# Altium PCB MCU021_V1.0_PCB.PcbDoc (part 1 of 3) (continued)
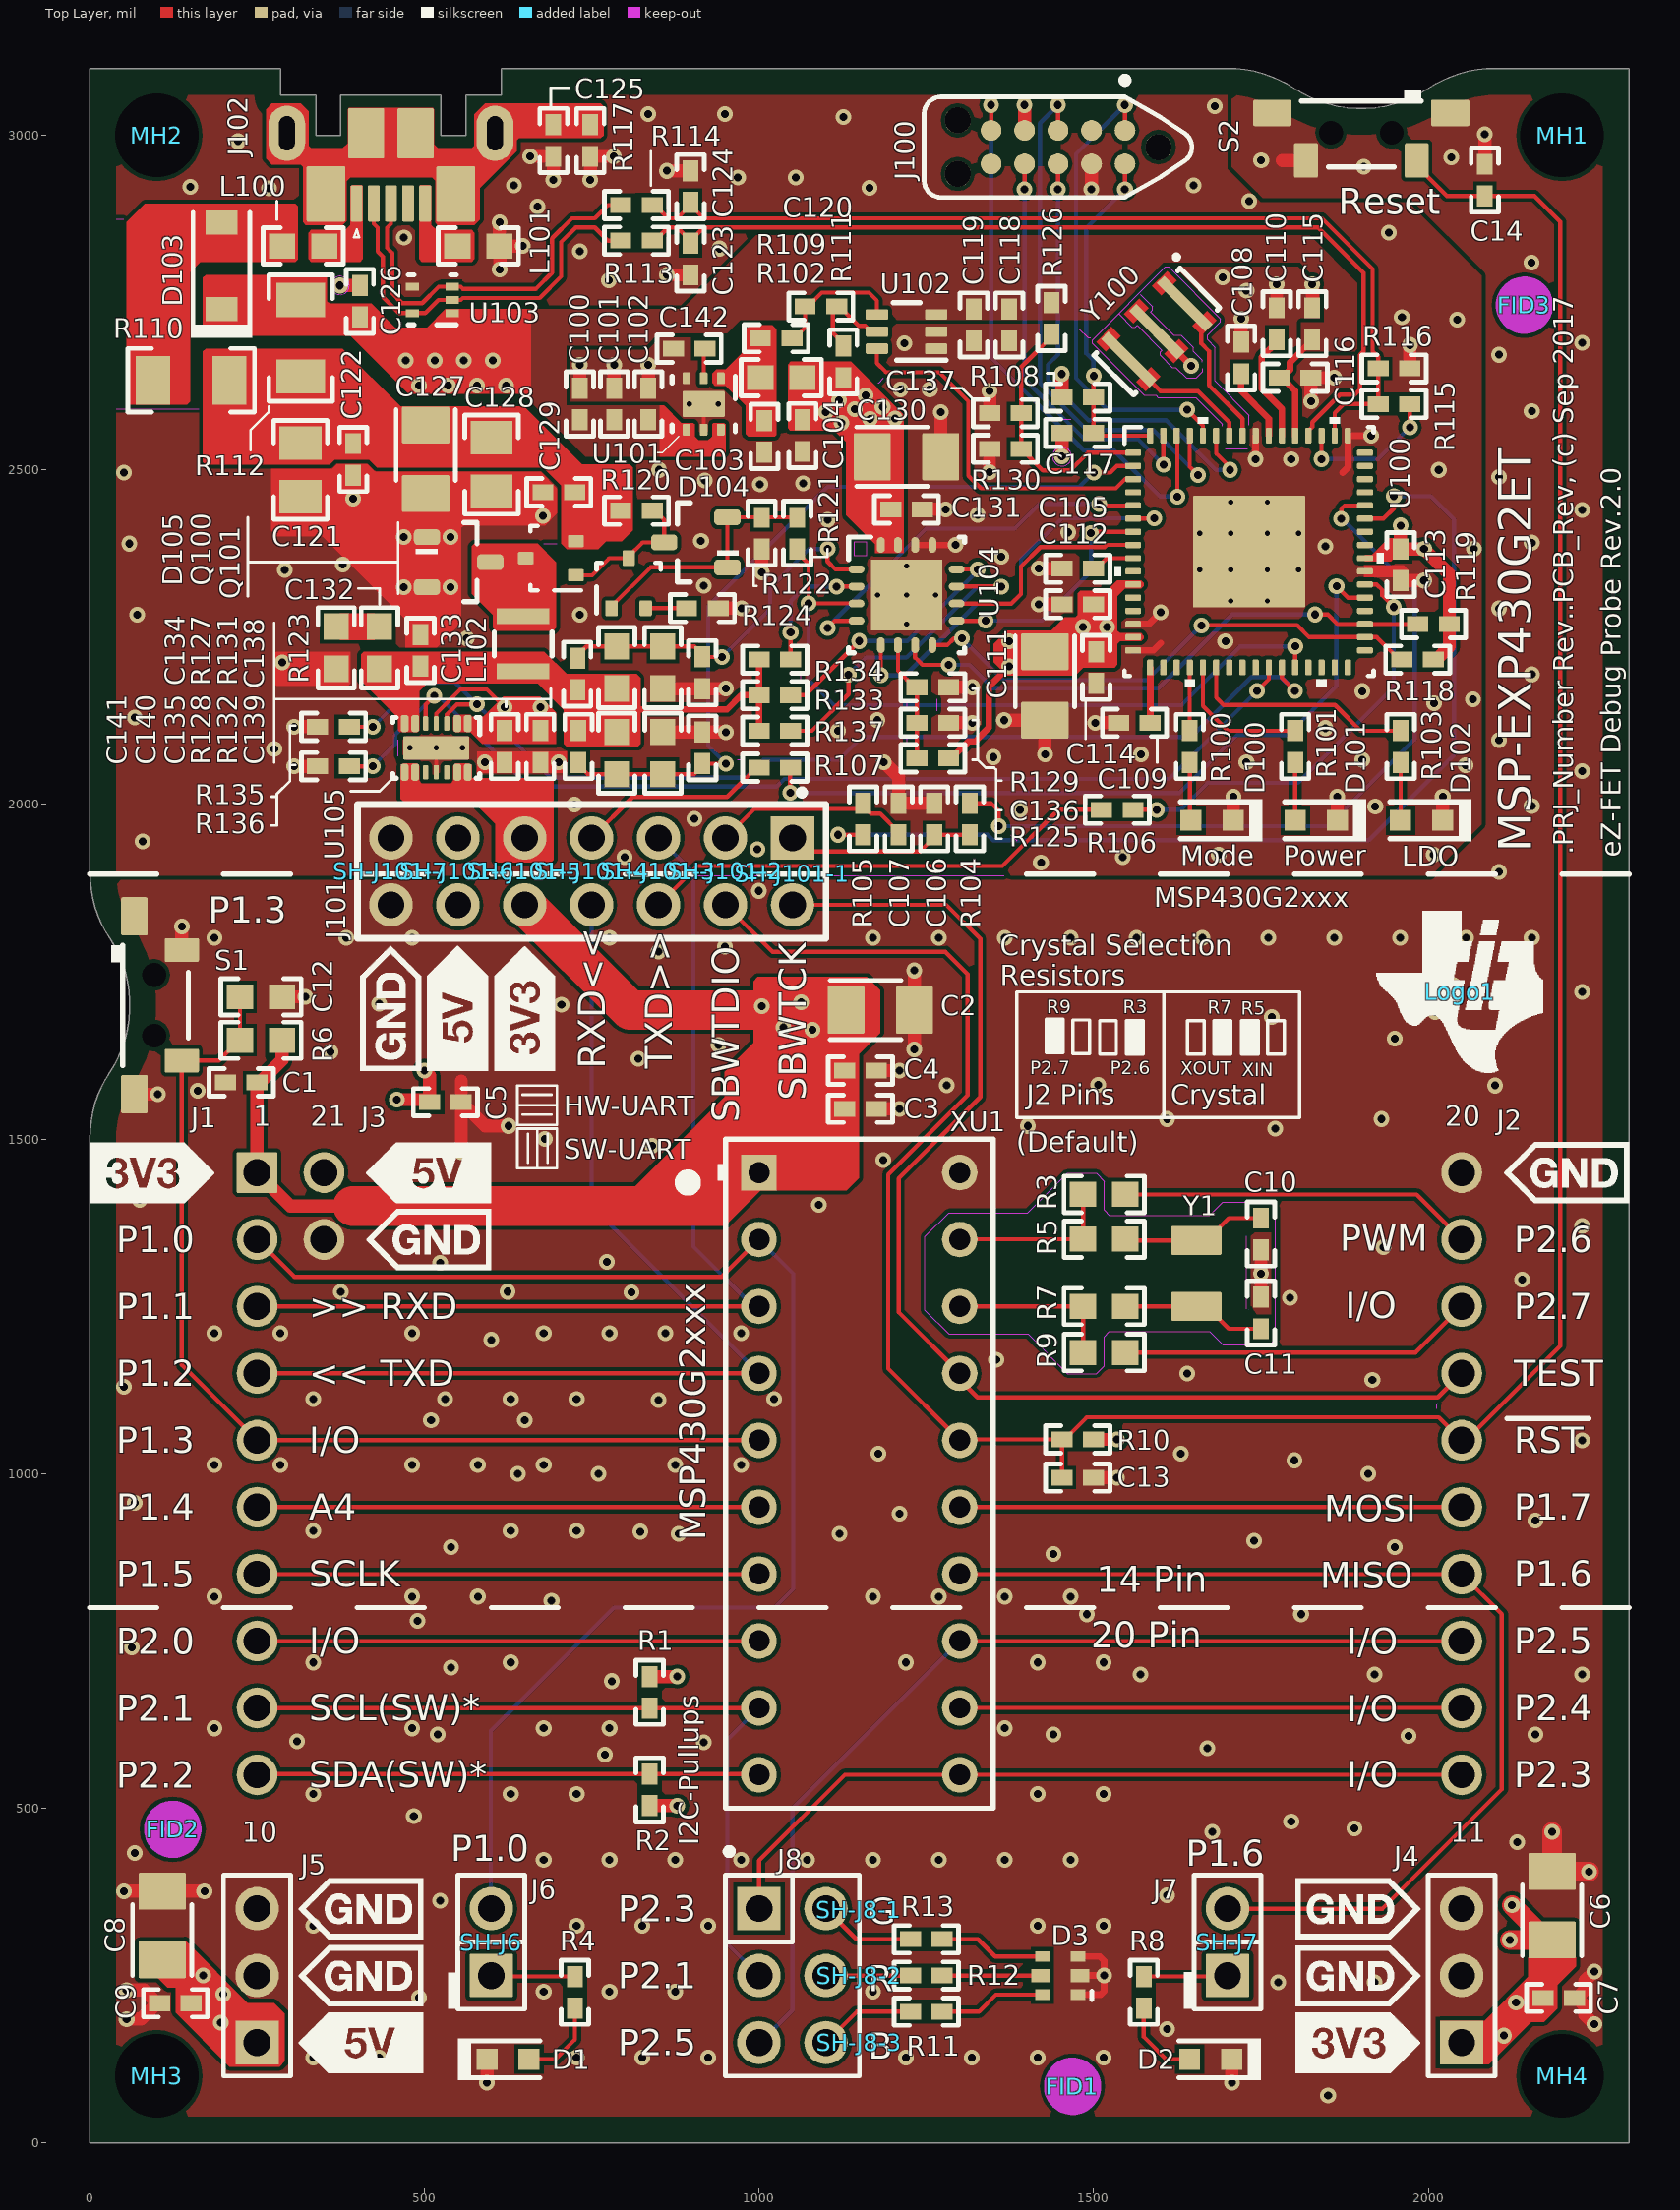
[diagram p0: Top Layer view]
## Part data (continued)
C108 C110 C125: library part GRM155R61A224KE19D, "CAP, CERM, 0.22 µF, 10 V,+/- 10%, X5R, 0402", Cap_Case=0402, Manufacturer=MuRata, Supplier Part Number 1=490-3910-1-ND, TempCo=X5R, Tolerance_%=10, Value1=Unknown, Value2=10V, ValueDisplayed=0.22µF, AEC Category=Q200, AEC Qualified=?, Cap_F=0.00000022, ComponentLink1Description="Datasheet link", ComponentLink1URL=http://search.murata.co.jp/Ceramy/PnsearchViewAction.do?HnOFG=ON&HnNFG=ON&SEL_CNT=50&sLang=en&sKey=GRM155R61A224KE19D&x=9&y=9&search=startwith, CompType=Capacitor, Green_EU RoHS=Passed, Green_EU RoHS-2=Incomplete, Green_Lifecycle=Active, Green_REACh=Passed, LatestRevisionDate=2017-05-28, MountType=SMT, PackageReference=0402, PartNumber=GRM155R61A224KE19D, Polarized=N, Published=2008-06-19, Publisher="Texas Instruments", RoHS=Y, SizeArea_mm2=0.5, SizeAreaWB_mm2=3, SizeX_mm=1, SizeY_mm=0.5, SizeZ_mm=0.6, Supplier 1=Digi-Key, Supplier 2=Newark, Supplier 3=Mouser, Supplier Part Number 2=38K1646, Supplier Part Number 3=81-GRM155R61A224KE19, SymbolVersion=2008-07-09, TaMax_C=85, TaMin_C=-55, Technology=Ceramic, U/M=EA, VDC_V=10
C109: library part GRM155R61C474KE01, "CAP, CERM, 0.47 µF, 16 V,+/- 10%, X5R, 0402", Cap_Case=0402, Manufacturer=MuRata, TempCo=X5R, Tolerance_%=10, Value1=Unknown, Value2=16V, ValueDisplayed=0.47µF, AEC Category=Q200, AEC Qualified=?, Cap_F=0.00000047, ComponentLink1Description="Datasheet link", ComponentLink1URL=http://psearch.murata.com/capacitor/product/GRM155R61C474KE01%23.pdf, CompType=Capacitor, Green_EU RoHS=Passed, Green_EU RoHS-2=Incomplete, Green_Lifecycle=Active, Green_REACh=Passed, LatestRevisionDate=2017-05-28, MountType=SMT, PackageReference=0402, PartNumber=GRM155R61C474KE01, Polarized=N, Published=2008-06-19, Publisher="Texas Instruments", RoHS=Y, SizeArea_mm2=0.5, SizeAreaWB_mm2=3, SizeX_mm=1, SizeY_mm=0.5, SizeZ_mm=0.6, SymbolVersion=2008-07-09, TaMax_C=85, TaMin_C=-55, Technology=Ceramic, U/M=EA, VDC_V=16
C111 C130: library part 293D475X9010A2TE3, "CAP, TA, 4.7 µF, 10 V, +/- 10%, 5 ohm, SMD", Cap_Case=A, Manufacturer=Vishay-Sprague, Supplier Part Number 1=718-1146-1-ND, Tolerance_%=10, Value1="5 ohm", Value2=10V, ValueDisplayed=4.7µF, AEC Category=Q200, AEC Qualified=?, Cap_F=0.0000047, ComponentLink1Description="Datasheet link", ComponentLink1URL=http://www.vishay.com/docs/40002/293d.pdf, CompType=Capacitor, ESR_ohm=5, IRMS_A=0.12, LatestRevisionDate=2017-03-13, LatestRevisionNote="Updated supplier links", MountType=SMT, PackageReference=3216-18, PartNumber=293D475X9010A2TE3, Polarized=Y, Publisher="Texas Instruments", RoHS=Y, Series=293D, SizeArea_mm2=5.12, SizeAreaWB_mm2=10.92, SizeX_mm=3.2, SizeY_mm=1.6, SizeZ_mm=1.8, Supplier 1=Digi-Key, Supplier 2=Mouser, Supplier 3=Farnell, Supplier Part Number 2=74-293D475X9010A2TE3, Supplier Part Number 3=197397, SymbolVersion=2008-07-09, TaMax_C=125, TaMin_C=-55, Technology=TA, U/M=EA, VDC_V=10
C115: library part GRM155R60J475ME87D, "CAP, CERM, 4.7 µF, 6.3 V,+/- 20%, X5R, 0402", Cap_Case=0402, Manufacturer=MuRata, Supplier Part Number 1=490-5408-1-ND, TempCo=X5R, Tolerance_%=20, Value1="0.009 ohm", Value2=6.3V, ValueDisplayed=4.7µF, AEC Category=Q200, AEC Qualified=?, Cap_F=0.0000047, ComponentLink1Description="Datasheet link", ComponentLink1URL=http://www.murata.com/products/catalog/pdf/c02e.pdf, CompType=Capacitor, ESR_ohm=0.009, Green_EU RoHS=Passed, Green_EU RoHS-2=Incomplete, Green_Lifecycle=Active, Green_REACh=Passed, IRMS_A=1.22, LatestRevisionDate=2017-05-28, MountType=SMT, PackageReference=0402, PartNumber=GRM155R60J475ME87D, Polarized=N, Published=2008-06-19, Publisher="Texas Instruments", RoHS=Y, SizeArea_mm2=0.5, SizeAreaWB_mm2=3, SizeX_mm=1, SizeY_mm=0.5, SizeZ_mm=0.6, Supplier 1=Digi-Key, SymbolVersion=2008-07-09, TaMax_C=85, TaMin_C=-55, Technology=Ceramic, U/M=EA, VDC_V=6.3
C121 C128: library part C0805C475K8PACTU, "CAP, CERM, 4.7 µF, 10 V,+/- 10%, X5R, 0805", Cap_Case=0805, Manufacturer=Kemet, Supplier Part Number 1=399-3133-1-ND, TempCo=X5R, Tolerance_%=10, Value1="0.004 ohm", Value2=10V, ValueDisplayed=4.7µF, AEC Category=Q200, AEC Qualified=?, Cap_F=0.0000047, ComponentLink1Description="Datasheet link", ComponentLink1URL=http://www.kemet.com/kemet/web/homepage/kechome.nsf/file/Partial%20Copy%20-%20Ceramic%20Surface%20Mount%20Capacitors/$file/F3102_CE.pdf, CompType=Capacitor, ESR_ohm=0.004, Green_EU RoHS=Passed, Green_EU RoHS-2=Passed, Green_Lifecycle=Active, Green_REACh=Passed, IRMS_A=9.89, LatestRevisionDate=2017-05-28, MountType=SMT, PackageReference=0805, PartNumber=C0805C475K8PACTU, Polarized=N, Published=2008-06-19, Publisher="Texas Instruments", RoHS=Y, SizeArea_mm2=2.5, SizeAreaWB_mm2=6.75, SizeX_mm=2, SizeY_mm=1.25, SizeZ_mm=1.45, Supplier 1=Digi-Key, Supplier 2=Newark, Supplier 3=Mouser, Supplier Part Number 2=70K9144, Supplier Part Number 3=80-C0805C475K8P, SymbolVersion=2008-07-09, TaMax_C=85, TaMin_C=-55, Technology=Ceramic, U/M=EA, VDC_V=10
C132: library part CGB3B1X5R1A475K055AC, "CAP, CERM, 4.7 µF, 10 V,+/- 10%, X5R, 0603", Cap_Case=0603, Manufacturer=TDK, Supplier Part Number 1=445-7482-1-ND, TempCo=X5R, Tolerance_%=10, Value1=Unknown, Value2=10V, ValueDisplayed=4.7µF, AEC Category=Q200, AEC Qualified=?, Cap_F=0.0000047, ComponentLink1Description="Datasheet link", ComponentLink1URL=http://www.tdk.com/pdf/mlcc_product_guide_A12.pdf, CompType=Capacitor, Green_EU RoHS=Passed, Green_EU RoHS-2=Passed, Green_Lifecycle=Active, Green_REACh=Passed, LatestRevisionDate=2017-05-28, MountType=SMT, PackageReference=0603, PartNumber=CGB3B1X5R1A475K055AC, Polarized=N, Published=2008-06-19, Publisher="Texas Instruments", RoHS=Y, SizeArea_mm2=1.28, SizeAreaWB_mm2=4.68, SizeX_mm=1.6, SizeY_mm=0.8, SizeZ_mm=1, Supplier 1=Digi-Key, SymbolVersion=2008-07-09, TaMax_C=85, TaMin_C=-55, Technology=Ceramic, U/M=EA, VDC_V=10
C134 C135 C136 C137 C138 C139: library part C1005C0G1H330J050BA, "CAP, CERM, 33 pF, 50 V,+/- 5%, C0G/NP0, 0402", Cap_Case=0402, Manufacturer=TDK, Supplier Part Number 1=445-1241-1-ND, TempCo=C0G/NP0, Tolerance_%=5, Value1=Unknown, Value2=50V, AEC Category=Q200, AEC Qualified=?, Cap_F=0.000000000033, ComponentLink1Description="Datasheet link", ComponentLink1URL=http://product.tdk.com/en/catalog/datasheets/mlcc_commercial_general_en.pdf, CompType=Capacitor, Green_EU RoHS=Incomplete, Green_EU RoHS-2=Incomplete, Green_Lifecycle="Not Set", Green_REACh=Incomplete, LatestRevisionDate=2017-05-28, MountType=SMT, PackageReference=0402, PartNumber=C1005C0G1H330J050BA, Polarized=N, Published=2008-06-19, Publisher="Texas Instruments", RoHS=Y, SizeArea_mm2=0.5, SizeAreaWB_mm2=3, SizeX_mm=1, SizeY_mm=0.5, SizeZ_mm=0.6, Supplier 1=Digi-Key, Supplier 2=Newark, Supplier 3=Mouser, Supplier Part Number 2=72W1722, Supplier Part Number 3=810-C1005C0G1H330J, SymbolVersion=2008-07-09, TaMax_C=125, TaMin_C=-55, Technology=Ceramic, U/M=EA, ValueDisplayed=33pF, VDC_V=50
"CE LOGO1": library part CMP-0074844-1, LatestRevisionDate=2017-07-06, Lib Reference="CE Mark", PartNumber="CE Mark", Published=2009-03-03, Publisher="Texas Instruments", SymbolCreator=a0412235
D1 D101: "LED, Green, SMD", Color=green, Manufacturer="Wurth Elektronik", Supplier Part Number 1=732-4980-1-ND, Value1=W, Value2=2V, ComponentLink1Description="Datasheet link", ComponentLink1URL=http://katalog.we-online.de/led/datasheet/150060VS75000.pdf, CompType=LED, Green_EU RoHS=Passed, Green_EU RoHS-2=Incomplete, Green_Lifecycle=Active, Green_REACh=Passed, Io_A=0.02, LatestRevisionDate=2017-05-19, MountType=SMT, PackageReference=LED_0603, PartNumber=150060VS75000, Published=2008-07-11, Publisher="Texas Instruments", RoHS=Y, Supplier 1=Digi-Key, Supplier 2=Newark, Supplier 3=Farnell, Supplier Part Number 2=95W3797, Supplier Part Number 3=2322073, SymbolVersion=2008-11-06, Type=AlInGaP, U/M=EA, Vf_V=2
D2 D100: "LED, Red, SMD", Color=Red, Manufacturer="Wurth Elektronik", Power_TotalModule=0.072, Supplier Part Number 1=732-4978-1-ND, Value1=0.072W, Value2=2V, Angle=140, ComponentLink1Description="Datasheet link", ComponentLink1URL=http://katalog.we-online.de/led/datasheet/150060RS75000.pdf, CompType=LED, Green_EU RoHS=Passed, Green_EU RoHS-2=Incomplete, Green_Lifecycle=Active, Green_REACh=Passed, Io_A=0.03, LatestRevisionDate=2017-05-19, MountType=SMT, PackageReference=LED_0603, PartNumber=150060RS75000, Published=2008-07-11, Publisher="Texas Instruments", RoHS=Y, Supplier 1=Digi-Key, Supplier 2=Newark, Supplier 3=Mouser, Supplier Part Number 2=95W3795, Supplier Part Number 3=710-150060RS75000, SymbolVersion=2008-11-06, TJmax_C=85, Type=AlInGaP, U/M=EA, Vf_V=2, Vr_V=5
D3: "LED, RGB, SMD", Color=RGB, Manufacturer=Everlight, Supplier Part Number 1=19-337/R6GHBHC-A01/2T-ND, Value1=W, Value2=3.8V, Angle=120, ComponentLink1Description="Datasheet link", ComponentLink1URL=http://www.everlight.com/file/ProductFile/19-337-R6GHBHC-A01-2T.pdf, CompType=LED, Io_A=0.025, Ir_A=5e-005, LatestRevisionDate=2017-06-23, MountType=SMT, PackageReference=1.6x1.6mm, PartNumber=19-337/R6GHBHC-A01/2T, Published=2008-07-11, Publisher="Texas Instruments", RoHS=Y, Supplier 1=Digi-Key, Supplier 2=Mouser, Supplier Part Number 2=638-19337R6GHBHCA01T, SymbolCreator=Altium, SymbolVersion=2017-06-23, TJmax_C=85, Type=?, U/M=EA, Vf_V=3.8, Vr_V=5
D102: "LED, Yellow, SMD", Color=yellow, Manufacturer="Wurth Elektronik", Supplier Part Number 1=732-4981-1-ND, Value1=W, Value2=2V, ComponentLink1Description="Datasheet link", ComponentLink1URL=http://katalog.we-online.de/led/datasheet/150060YS75000.pdf, CompType=LED, Green_EU RoHS=Passed, Green_EU RoHS-2=Incomplete, Green_Lifecycle=Active, Green_REACh=Passed, Io_A=0.02, LatestRevisionDate=2017-05-19, MountType=SMT, PackageReference=LED_0603, PartNumber=150060YS75000, Published=2008-07-11, Publisher="Texas Instruments", RoHS=Y, Supplier 1=Digi-Key, Supplier 2=Newark, Supplier 3=Farnell, Supplier Part Number 2=95W3798, Supplier Part Number 3=2322074, SymbolVersion=2008-11-06, Type=AlInGaP, U/M=EA, Vf_V=2
D103: "Diode, Schottky, 30 V, 0.5 A, SOD-123", Manufacturer="Diodes Inc.", Supplier Part Number 1=B0530W-FDICT-ND, Value1=0.5A, Value2=0.43V, AEC Category=Q101, AEC Qualified=?, ComponentLink1Description="Datasheet link", ComponentLink1URL=http://www.diodes.com/datasheets/ds30139.pdf, CompType=Diode, Green_EU RoHS=Passed, Green_EU RoHS-2=Passed, Green_Lifecycle=Active, Green_REACh=Passed, Io_A=0.5, LatestRevisionDate=2017-05-30, MountType=SMT, PackageReference=SOD-123, PartNumber=B0530W-7-F, Published=2008-06-26, Publisher="Texas Instruments", RoHS=Y, SizeArea_mm2=6.545, SizeAreaWB_mm2=13.095, SizeX_mm=3.85, SizeY_mm=1.7, SizeZ_mm=1.35, Supplier 1=Digi-Key, Supplier 2=Newark, Supplier 3=Mouser, Supplier Part Number 2=12T1451, Supplier Part Number 3=621-B0530W-F, SymbolVersion=2008-12-08, TJmax_C=125, Type=Schottky, U/M=EA, Vf_V=0.43, Vr_V=30
D104 D105: "Diode, Schottky, 40 V, 0.12 A, AEC-Q101, SOT-23", Manufacturer=Nexperia, Supplier Part Number 1=1727-4235-1-ND, Value1=0.12A, Value2=0.38V, AEC Category=Q101, AEC Qualified=Y, ComponentLink1Description="Datasheet link", ComponentLink1URL=https://assets.nexperia.com/documents/data-sheet/BAS40_1PSXXSB4X_SER.pdf, CompType=Diode, Io_A=0.12, LatestRevisionDate=2017-06-06, MountType=SMT, PackageReference=SOT-23, PartNumber=BAS40-05,215, Published=2008-06-26, Publisher="Texas Instruments", RoHS=Y, SizeArea_mm2=7.5, SizeAreaWB_mm2=14, SizeX_mm=2.5, SizeY_mm=3, SizeZ_mm=1.1, Supplier 1=Digi-Key, Supplier 2=Newark, Supplier 3=Mouser, Supplier Part Number 2=75R4943, Supplier Part Number 3=771-BAS40-05-T/R, SymbolCreator=a0412235, SymbolVersion=2013-03-27, TJmax_C=150, Type=Schottky, U/M=EA, Vf_V=0.38, Vr_V=40
"ESD Logo1": library part ESD_Susceptible, "ESD Susceptible Symbol", LatestRevisionDate=2016-03-21, Published=2009-03-03, Publisher="Texas Instruments", SymbolCreator=a0412235, SymbolVersion=2011-08-22
FID1 FID2 FID3: "Fiducial mark.  There is nothing to buy or mount.", Manufacturer=N/A, ClassName=FiducialMark, CompType=Fiducial, LatestRevisionDate=2017-05-31, LatestRevisionNote="Added Alternate PartNumber and Alternate Manufacturer parameters to appropriate components.", MountType=N/A, PackageReference=N/A, PartNumber=N/A, Publisher="Texas Instruments", SymbolCreator=codlsc, SymbolVersion=2009-11-4
H1 H2: library part CMP-0077978-1, "Spacer Support, Nylon 66", Manufacturer="Kang Yang", ComponentLink1Description="Datasheet Link", ComponentLink1URL=https://sps16.itg.ti.com/sites/KMS/crossdivteams/altium/docs/ComponentDatasheets/1104004000018---MAE-10.pdf, CompType=Standoff, Key=MAE-10, MountType=N/A, PackageReference="Spacer Nylon Support", PartNumber=MAE-10, RoHS=Y
J1: library part BoosterPack_20pin_J1, "Receptacle, 2.54mm, 10x1, Gold, TH", Alternate Manufacturer="Major League Electronics", Alternate PartNumber=SSHQ-110-S-08-G-LF, Manufacturer=Samtec, Supplier Part Number 1=2283783, ComponentLink1Description="Datasheet Link", CompType=Receptacle, LatestRevisionDate=2017-05-23, MountType=TH, Note="Booster Pack 20 pin J1", PackageReference="10x1 Receptacle", PartNumber=SSQ-110-03-F-S, Publisher="Texas Instruments", RoHS=Y, Supplier 1=Farnell, SymbolCreator=a0412235, SymbolVersion=2015-10-21
J2: library part BoosterPack_20pin_J2, "Receptacle, 2.54mm, 10x1, Gold, TH", Alternate Manufacturer="Major League Electronics", Alternate PartNumber=SSHQ-110-S-08-G-LF, Manufacturer=Samtec, Supplier Part Number 1=2283783, ComponentLink1Description="Datasheet Link", CompType=Receptacle, LatestRevisionDate=2017-05-23, MountType=TH, Note="Booster Pack 20 pin J2", PackageReference="10x1 Receptacle", PartNumber=SSQ-110-03-F-S, Publisher="Texas Instruments", RoHS=Y, Supplier 1=Farnell, SymbolCreator=a0412235, SymbolVersion=2015-10-21
J3: library part BoosterPack_20pin_J3, "Receptacle, 2.54mm, 2x1, Gold, TH", Manufacturer=Samtec, Supplier Part Number 1=2283777, ComponentLink1Description="Datasheet Link", CompType=Receptacle, LatestRevisionDate=2017-05-23, MountType=TH, Note="Booster Pack 20 pin J3", PackageReference="2x1 Receptacle", PartNumber=SSQ-102-03-F-S, Publisher="Texas Instruments", RoHS=Y, Supplier 1=Farnell, SymbolCreator=a0412235, SymbolVersion=2015-10-21
J4 J5: "Header, 100mil, 3x1, Tin, TH", Color=Black, Current_A=3, Manufacturer="Sullins Connector Solutions", Supplier Part Number 1=S1012E-03-ND, Voltage_V=1800, Cert_UL=Y, ClassName=Header, ComponentLink1Description="Datasheet URL", ComponentLink1URL=http://www.sullinscorp.com/catalogs/77_PAGE108-109_.100_MALE_HDR.pdf, CompType=Header, ContactFinish=Tin, Gender=Male, Green_EU RoHS=Incomplete, Green_EU RoHS-2=Incomplete, Green_Lifecycle="Not Set", Green_REACh=Incomplete, LatestRevisionDate=2017-05-15, MountType=TH, Orientation=Vertical, PackageReference="Header, 3 PIN, 100mil, Tin", PartNumber=PEC03SAAN, PinCount=3, Pitch_mm=2.54, Publisher="Texas Instruments", RoHS=Y, Row_Count=1, Shrouded=N, Supplier 1=Digi-Key, SymbolCreator=a0412235, SymbolVersion=2017-03-03
J6 J7: "Header, 100mil, 2x1, Gold, TH", Color=Black, Current_A=6.3, Manufacturer=Samtec, Supplier Part Number 1=SAM1029-02-ND, Voltage_V=550, Cert_CSA=Y, Cert_CULUS=N, Cert_UL=Y, Cert_VDE=N, ClassName=Header, ComponentLink1Description="Datasheet URL", ComponentLink1URL=http://samtec.com/ftppub/pdf/TSW_TH.PDF, CompType=Header, ContactFinish=Gold, Gender=Male, LatestRevisionDate=2017-04-12, MountType=TH, Orientation=Vertical, PackageReference="2x1 Header", PartNumber=TSW-102-07-G-S, PinCount=2, Pitch_mm=2.54, Publisher="Texas Instruments", RoHS=Y, Row_Count=1, Shrouded=N, Supplier 1=Digi-Key, SymbolCreator=a0412235, SymbolVersion=2013-10-31
J8: "Header, 100mil, 3x2, Gold, TH", Color=Black, Current_A=6.3, Manufacturer=Samtec, Supplier Part Number 1=SAM1028-03-ND, Voltage_V=550, Cert_CSA=Y, Cert_CULUS=N, Cert_UL=Y, Cert_VDE=N, ClassName=Header, ComponentLink1Description="Datasheet URL", ComponentLink1URL=http://samtec.com/ftppub/pdf/TSW_TH.PDF, CompType=Header, ContactFinish=Gold, Gender=Male, LatestRevisionDate=2017-04-12, MountType=TH, Orientation=Vertical, PackageReference="3x2 Header", PartNumber=TSW-103-07-G-D, PinCount=6, Pitch_mm=2.54, Publisher="Texas Instruments", RoHS=Y, Row_Count=2, RowSpacing_mm=2.54, Shrouded=N, Supplier 1=Digi-Key, SymbolCreator=a0412235, SymbolVersion=2013-10-14
J100: "Footprint for Tag-Connect TC2050 No-Legs cables", Manufacturer=Tag-Connect, ComponentLink1Description="Datasheet URL", ComponentLink1URL=http://www.tag-connect.com/Materials/TC2050-IDC-430-NL%20Datasheet.pdf, CompType=Receptacle, LatestRevisionDate=2017-06-13, MountType=N/A, Note="Footprint only, to mate with Tag-Connect TC2050 No-Legs cables", PackageReference="Footprint for TC2050 No Legs series of cables", PartNumber=TC2050-IDC-NL-FP, Publisher="Texas Instruments", SymbolCreator=Altium, SymbolVersion=2015-06-15
J101: "Header, 100mil, 7x2, Tin, TH", Color=Black, Current_A=3, Manufacturer="Sullins Connector Solutions", Supplier Part Number 1=S2012E-07-ND, Voltage_V=1800, Cert_UL=Y, ClassName=Header, ComponentLink1Description="Datasheet URL", ComponentLink1URL=http://www.sullinscorp.com/catalogs/77_PAGE108-109_.100_MALE_HDR.pdf, CompType=Header, ContactFinish=Tin, Gender=Male, Green_EU RoHS=Passed, Green_EU RoHS-2=Passed, Green_Lifecycle=Active, Green_REACh=Passed, LatestRevisionDate=2017-05-15, MountType=TH, Orientation=Vertical, PackageReference="Header, 7x2, 100mil, Tin", PartNumber=PEC07DAAN, PinCount=14, Pitch_mm=2.54, Publisher="Texas Instruments", RoHS=Y, Row_Count=2, RowSpacing_mm=2.54, Shrouded=N, Supplier 1=Digi-Key, SymbolCreator=a0412235, SymbolVersion=2017-03-02
J102: "Receptacle, USB 2.0, Micro B, 5 Position, R/A, SMT", Color=Black, Current_A=1.8, Manufacturer=Molex, Supplier Part Number 1=WM11263CT-ND, Voltage_V=30, Cert_UL=Y, ComponentLink1Description="Datasheet URL", ComponentLink1URL=http://www.molex.com/pdm_docs/sd/1051640001_sd.pdf, CompType=Receptacle, ContactFinish=Gold, Gender=Female, LatestRevisionDate=2017-04-13, MountType=SMT, Orientation=R/A, PackageReference="Receptacle, USB 2.0, Micro B, 5 Pos, 0.65mm Pitch, R/A, SMT", PartNumber=1051640001, PinCount=5, Pitch_mm=0.65, Publisher="Texas Instruments", RoHS=Y, Supplier 1=Digi-Key, Supplier 2=Newark, Supplier 3=Mouser, Supplier Part Number 2=99Y3224, Supplier Part Number 3=538-105164-0001, SymbolCreator=a0411947, SymbolVersion=2013-12-17
L100 L101: library part BLM18AG151BH1D, "Ferrite Bead, 150 ohm @ 100 MHz, 0.7 A, 0603", Manufacturer=MuRata, Supplier Part Number 1=490-14035-1-ND, Value1="0.35 ohm", Value2=0.7A, ComponentLink1Description="Datasheet link", ComponentLink1URL=http://www.murata.com/en-us/products/productdata/8798137286686/QNFA9129.pdf, CompType="Ferrite Bead", DCR_ohm=0.35, Imax_A=0.7, LatestRevisionDate=2017-06-15, MountType=SMT, PackageReference=0603, PartNumber=BLM18AG151BH1D, Published=2014-04-30, Publisher="Texas Instruments", RoHS=Y, SizeArea_mm2=1.28, SizeAreaWB_mm2=4.68, SizeX_mm=1.6, SizeY_mm=0.8, SizeZ_mm=1, Supplier 1=Digi-Key, Supplier 2=Mouser, Supplier Part Number 2=81-BLM18AG151BH1D, SymbolVersion=2017-01-06, ValueDisplayed="150 ohm", ZTyp@100MHz_Ohm=150
L102: library part CBC2518T2R2M, "Inductor, Wirewound, Ceramic, 2.2 µH, 0.89 A, 0.13 ohm, SMD", Manufacturer="Taiyo Yuden", Supplier Part Number 1=587-1618-1-ND, Value1="0.13 ohm", Value2=0.89A, ValueDisplayed=2.2µH, AEC Category=Q200, AEC Grade=N/A, AEC Qualified=N, ComponentLink1Description="Datasheet link", ComponentLink1URL=http://www.yuden.co.jp/productdata/catalog/en/wound02_e.pdf, CompType=Inductor, DCR_ohm=0.13, Green_EU RoHS=Passed, Green_EU RoHS-2=Passed, Green_Lifecycle=Active, Green_REACh=Passed, Imax_A=0.89, Ind_H=2.2E-6, Irms="1.1A @ 40C rise", Isat="0.89A @ 30% inductance drop", LatestRevisionDate=2017-05-30, Material=Ceramic, MountType=SMT, PackageReference=2.5x1.8x1.8mm, PartNumber=CBC2518T2R2M, Published=2008-06-26, Publisher="Texas Instruments", RoHS=Y, SizeArea_mm2=4.5, SizeAreaWB_mm2=9.8, SizeX_mm=2.5, SizeY_mm=1.8, SizeZ_mm=1.8, Supplier 1=Digi-Key, Supplier 2=Newark, Supplier 3=Mouser, Supplier Part Number 2=18J0834, Supplier Part Number 3=963-CBC2518T2R2M, SymbolVersion=2008-07-23, Technology=Wirewound
Logo1 "TI Logo 1": library part TI_Logo, "Texas Instrument Corporate Signature", ClassName=Logo, Published=2009-03-03, SymbolVersion=2011-08-22
  Logo1: LatestRevisionDate=2011-10-25, LatestRevisionNote="Added ClassName of Logo.", Publisher="National Semiconductor", SymbolCreator=codlsc
  "TI Logo 1": LatestRevisionDate=2016-03-21, Publisher="Texas Instruments", SymbolCreator=a0412235
Logo3: library part FCC_disclaimer, "FCC_disclaimer", LatestRevisionDate=2014-11-20, Published=2009-03-03, Publisher="Texas Instruments", SymbolCreator=codlsc, SymbolVersion=2011-08-22
MH1 MH2 MH3 MH4: library part "Mounting Hole (non-standard) No Pad", "PCB Mounting Hole, No Pad", Manufacturer=Any, PartNumber=N/A, ClassName="Mounting Holes", CompType="Mounting Hole", LatestRevisionDate=2017-06-01, MountType=N/A, PackageReference="Mounting Hole", Publisher="Texas Instruments", SymbolCreator=a0412235, SymbolVersion=2013-12-26
Q100: "MOSFET, P-CH, -20 V, -0.82 A, SOT-323", Alternate Manufacturer=None, Manufacturer="Diodes Inc.", Supplier Part Number 1=DMG1013UW-7DICT-ND, Value1="0.75 ohm", Value2="0.622 nC", AEC Category=Q101, AEC Qualified=?, ChType=P, ComponentLink1Description="Datasheet link", ComponentLink1URL=http://www.diodes.com/datasheets/ds31861.pdf, CompType=MOSFET, Green_EU RoHS=Passed, Green_EU RoHS-2=Passed, Green_Lifecycle=Active, Green_REACh=Passed, IdsMax_A=-0.82, LatestRevisionDate=2017-05-30, LatestRevisionNote="Added parts.", MountType=SMT, PackageReference=SOT-323, PartNumber=DMG1013UW-7, Published=2008-06-19, Publisher="Texas Instruments", QgTyp_nC=0.622, Rdson45_ohm=0.75, RoHS=Y, SizeArea_mm2=4.84, SizeAreaWB_mm2=10.24, SizeX_mm=2.2, SizeY_mm=2.2, SizeZ_mm=1.1, Supplier 1=Digi-Key, Supplier 2=Mouser, Supplier Part Number 2=621-DMG1013UW-7, SymbolCreator=a0411947, SymbolVersion=2013-05-16, U/M=EA, VdsMax_V=-20, Vgs_V=-6
Q101: library part "BC850CW,115, Nexperia", "Transistor, NPN, 45 V, 0.1 A, SOT-323", Manufacturer=Nexperia, Supplier Part Number 1=568-6076-1-ND, Value1="0.1 A", Value2=800, AEC Category=Q101, AEC Qualified=?, ComponentLink1Description="Datasheet link", ComponentLink1URL=http://www.nexperia.com/documents/data_sheet/BC849W_850W.pdf, CompType=BJT, HfeMax=800, IcRated_A=0.1, LatestRevisionDate=2017-04-05, MountType=SMT, NPN=1, PackageReference=SOT-323, PartNumber=BC850CW,115, PNP=0, Published=2008-07-31, Publisher="Texas Instruments", RoHS=Y, SizeArea_mm2=4.84, SizeAreaWB_mm2=10.24, SizeX_mm=2.2, SizeY_mm=2.2, SizeZ_mm=1.1, Supplier 1=Digi-Key, Supplier 2=Newark, Supplier 3=Mouser, Supplier Part Number 2=75R0746, Supplier Part Number 3=771-BC850CW-T/R, SymbolVersion=2008-07-31, TaMax_C=150, TaMin_C=-65, U/M=EA, Vceo_V=45, Vcesat1_V=0.25
R1 R2 R118 R119: library part CRCW04024K70JNED, "RES, 4.7 k, 5%, 0.063 W, 0402", Manufacturer=Vishay-Dale, Power_W=0.063, Supplier Part Number 1=541-4.7KJCT-ND, TempCo="200 ppm/C", Tolerance_%=5, Value1=5%, Value2=0.063W, Value_Code=4k70, AEC Category=Q200, AEC Qualified=?, ComponentLink1Description="Datasheet link", ComponentLink1URL=http://www.vishay.com/docs/20035/dcrcwe3.pdf, CompType=Resistor, EIA_Code=E24, LatestRevisionDate=2017-04-13, MountType=SMT, PackageReference=0402, PartNumber=CRCW04024K70JNED, Published=2008-06-26, Publisher="Texas Instruments", Res_ohm=4700, RoHS=Y, SizeArea_mm2=0.5, SizeX_mm=1, SizeY_mm=0.5, SizeZ_mm=0.6, Supplier 1=Digi-Key, Supplier 2=Newark, Supplier 3=Mouser, Supplier Part Number 2=59M6733, Supplier Part Number 3=71-CRCW0402J-4.7K-E3, SymbolVersion=2009-05-29, Technology="Thick Film", U/M=EA, ValueDisplayed=4.7k, VDC_V=50
R3 R5 R7 R9: library part CRCW06030000Z0EA, "RES, 0, 5%, 0.1 W, 0603", Manufacturer=Vishay-Dale, Power_W=0.1, Supplier Part Number 1=541-0.0GCT-ND, TempCo="200 ppm/C", Tolerance_%=5, Value1=5%, Value2=0.1W, Value_Code=0000, AEC Category=Q200, AEC Qualified=?, ComponentLink1Description="Datasheet link", ComponentLink1URL=http://www.vishay.com/docs/20035/dcrcwe3.pdf, CompType=Resistor, EIA_Code=E24, Green_EU RoHS="Passed with Exemption", Green_EU RoHS-2=Passed, Green_Lifecycle=Active, Green_REACh=Passed, LatestRevisionDate=2017-05-31, MountType=SMT, PackageReference=0603, PartNumber=CRCW06030000Z0EA, Published=2008-06-26, Publisher="Texas Instruments", Res_ohm=0, RoHS=Y, SizeArea_mm2=1.28, SizeX_mm=1.6, SizeY_mm=0.8, SizeZ_mm=1, Supplier 1=Digi-Key, Supplier 2=Newark, Supplier 3=Mouser, Supplier Part Number 2=52K8014, Supplier Part Number 3=71-CRCW0603-0-E3, SymbolVersion=2009-05-29, Technology="Thick Film", U/M=EA, ValueDisplayed=0, VDC_V=75
R4 R101 R103: library part CRCW0402390RJNED, "RES, 390, 5%, 0.063 W, 0402", Manufacturer=Vishay-Dale, Power_W=0.063, Supplier Part Number 1=541-390JCT-ND, TempCo="200 ppm/C", Tolerance_%=5, Value1=5%, Value2=0.063W, Value_Code=390R, AEC Category=Q200, AEC Qualified=?, ComponentLink1Description="Datasheet link", ComponentLink1URL=http://www.vishay.com/docs/20035/dcrcwe3.pdf, CompType=Resistor, EIA_Code=E24, LatestRevisionDate=2017-04-13, MountType=SMT, PackageReference=0402, PartNumber=CRCW0402390RJNED, Published=2008-06-26, Publisher="Texas Instruments", Res_ohm=390, RoHS=Y, SizeArea_mm2=0.5, SizeX_mm=1, SizeY_mm=0.5, SizeZ_mm=0.6, Supplier 1=Digi-Key, Supplier 2=Newark, Supplier 3=Mouser, Supplier Part Number 2=59M6731, Supplier Part Number 3=71-CRCW0402J-390-E3, SymbolVersion=2009-05-29, Technology="Thick Film", U/M=EA, ValueDisplayed=390, VDC_V=50
R6: library part CRCW060347K0FKEA, "RES, 47.0 k, 1%, 0.1 W, AEC-Q200 Grade 0, 0603", Manufacturer=Vishay-Dale, Power_W=0.1, Supplier Part Number 1=541-47.0KHCT-ND, TempCo="100 ppm/C", Tolerance_%=1, Value1=1%, Value2=0.1W, Value_Code=47k0, AEC Category=Q200, AEC Grade=0, AEC Qualified=Y, ComponentLink1Description="Datasheet link", ComponentLink1URL=http://www.vishay.com/docs/20035/dcrcwe3.pdf, CompType=Resistor, LatestRevisionDate=2017-05-31, MountType=SMT, PackageReference=0603, PartNumber=CRCW060347K0FKEA, Published=2008-06-26, Publisher="Texas Instruments", Res_ohm=47000, RoHS=Y, SizeArea_mm2=1.28, SizeX_mm=1.6, SizeY_mm=0.8, SizeZ_mm=1, Supplier 1=Digi-Key, Supplier 2=Newark, Supplier 3=Mouser, Supplier Part Number 2=61M5392, Supplier Part Number 3=71-CRCW0603-47K-E3, SymbolVersion=2009-05-29, Technology="Thick Film", U/M=EA, ValueDisplayed=47.0k, VDC_V=75
R8 R100: library part CRCW0402470RJNED, "RES, 470, 5%, 0.063 W, 0402", Manufacturer=Vishay-Dale, Power_W=0.063, Supplier Part Number 1=541-470JCT-ND, TempCo="200 ppm/C", Tolerance_%=5, Value1=5%, Value2=0.063W, Value_Code=470R, AEC Category=Q200, AEC Qualified=?, ComponentLink1Description="Datasheet link", ComponentLink1URL=http://www.vishay.com/docs/20035/dcrcwe3.pdf, CompType=Resistor, EIA_Code=E24, LatestRevisionDate=2017-04-13, MountType=SMT, PackageReference=0402, PartNumber=CRCW0402470RJNED, Published=2008-06-26, Publisher="Texas Instruments", Res_ohm=470, RoHS=Y, SizeArea_mm2=0.5, SizeX_mm=1, SizeY_mm=0.5, SizeZ_mm=0.6, Supplier 1=Digi-Key, Supplier 2=Newark, Supplier 3=Mouser, Supplier Part Number 2=59M6737, Supplier Part Number 3=71-CRCW0402J-470-E3, SymbolVersion=2009-05-29, Technology="Thick Film", U/M=EA, ValueDisplayed=470, VDC_V=50
R10 R108 R135 R136: library part CRCW040247K0JNED, "RES, 47 k, 5%, 0.063 W, 0402", Manufacturer=Vishay-Dale, Power_W=0.063, Supplier Part Number 1=541-47KJCT-ND, TempCo="200 ppm/C", Tolerance_%=5, Value1=5%, Value2=0.063W, Value_Code=47k0, AEC Category=Q200, AEC Qualified=?, ComponentLink1Description="Datasheet link", ComponentLink1URL=http://www.vishay.com/docs/20035/dcrcwe3.pdf, CompType=Resistor, EIA_Code=E24, LatestRevisionDate=2017-04-13, MountType=SMT, PackageReference=0402, PartNumber=CRCW040247K0JNED, Published=2008-06-26, Publisher="Texas Instruments", Res_ohm=47000, RoHS=Y, SizeArea_mm2=0.5, SizeX_mm=1, SizeY_mm=0.5, SizeZ_mm=0.6, Supplier 1=Digi-Key, Supplier 2=Newark, Supplier 3=Mouser, Supplier Part Number 2=52K7099, Supplier Part Number 3=71-CRCW0402-J-47K-E3, SymbolVersion=2009-05-29, Technology="Thick Film", U/M=EA, ValueDisplayed=47k, VDC_V=50
R11: library part CRCW040224R0JNED, "RES, 24, 5%, 0.063 W, 0402", Manufacturer=Vishay-Dale, Power_W=0.063, Supplier Part Number 1=541-24JCT-ND, TempCo="200 ppm/C", Tolerance_%=5, Value1=5%, Value2=0.063W, Value_Code=24R0, AEC Category=Q200, AEC Qualified=?, ComponentLink1Description="Datasheet link", ComponentLink1URL=http://www.vishay.com/docs/20035/dcrcwe3.pdf, CompType=Resistor, EIA_Code=E24, Green_EU RoHS="Passed with Exemption", Green_EU RoHS-2=Passed, Green_Lifecycle=Active, Green_REACh=Passed, LatestRevisionDate=2017-06-12, MountType=SMT, PackageReference=0402, PartNumber=CRCW040224R0JNED, Published=2008-06-26, Publisher="Texas Instruments", Res_ohm=24, RoHS=Y, SizeArea_mm2=0.5, SizeX_mm=1, SizeY_mm=0.5, SizeZ_mm=0.6, Supplier 1=Digi-Key, Supplier 2=Newark, Supplier 3=Mouser, Supplier Part Number 2=89M6631, Supplier Part Number 3=71-CRCW0402J-24-E3, SymbolVersion=2009-05-29, Technology="Thick Film", U/M=EA, ValueDisplayed=24, VDC_V=50
R12: library part CRCW0402110RFKED, "RES, 110, 1%, 0.063 W, 0402", Manufacturer=Vishay-Dale, Power_W=0.063, Supplier Part Number 1=541-110LCT-ND, TempCo="100 ppm/C", Tolerance_%=1, Value1=1%, Value2=0.063W, Value_Code=110R, AEC Category=Q200, AEC Qualified=?, ComponentLink1Description="Datasheet link", ComponentLink1URL=http://www.vishay.com/docs/20035/dcrcwe3.pdf, CompType=Resistor, EIA_Code=E96, Green_EU RoHS="Passed with Exemption", Green_EU RoHS-2=Passed, Green_Lifecycle=Active, Green_REACh=Passed, LatestRevisionDate=2017-06-12, MountType=SMT, PackageReference=0402, PartNumber=CRCW0402110RFKED, Published=2008-06-26, Publisher="Texas Instruments", Res_ohm=110, RoHS=Y, SizeArea_mm2=0.5, SizeX_mm=1, SizeY_mm=0.5, SizeZ_mm=0.6, Supplier 1=Digi-Key, Supplier 2=Newark, Supplier 3=Mouser, Supplier Part Number 2=52K6634, Supplier Part Number 3=71-CRCW0402-110-E3, SymbolVersion=2009-05-29, Technology="Thick Film", U/M=EA, ValueDisplayed=110, VDC_V=50
R13: library part CRCW040216R0JNED, "RES, 16, 5%, 0.063 W, 0402", Manufacturer=Vishay-Dale, Power_W=0.063, Supplier Part Number 1=541-16JCT-ND, TempCo="200 ppm/C", Tolerance_%=5, Value1=5%, Value2=0.063W, Value_Code=16R0, AEC Category=Q200, AEC Qualified=?, ComponentLink1Description="Datasheet link", ComponentLink1URL=http://www.vishay.com/docs/20035/dcrcwe3.pdf, CompType=Resistor, EIA_Code=E24, LatestRevisionDate=2017-06-12, MountType=SMT, PackageReference=0402, PartNumber=CRCW040216R0JNED, Published=2008-06-26, Publisher="Texas Instruments", Res_ohm=16, RoHS=Y, SizeArea_mm2=0.5, SizeX_mm=1, SizeY_mm=0.5, SizeZ_mm=0.6, Supplier 1=Digi-Key, Supplier 2=Mouser, Supplier Part Number 2=71-CRCW0402J-16-E3, SymbolVersion=2009-05-29, Technology="Thick Film", U/M=EA, ValueDisplayed=16, VDC_V=50